# Altium PCB PCB_Amplifier.PcbDoc (part 2 of 4) (continued)
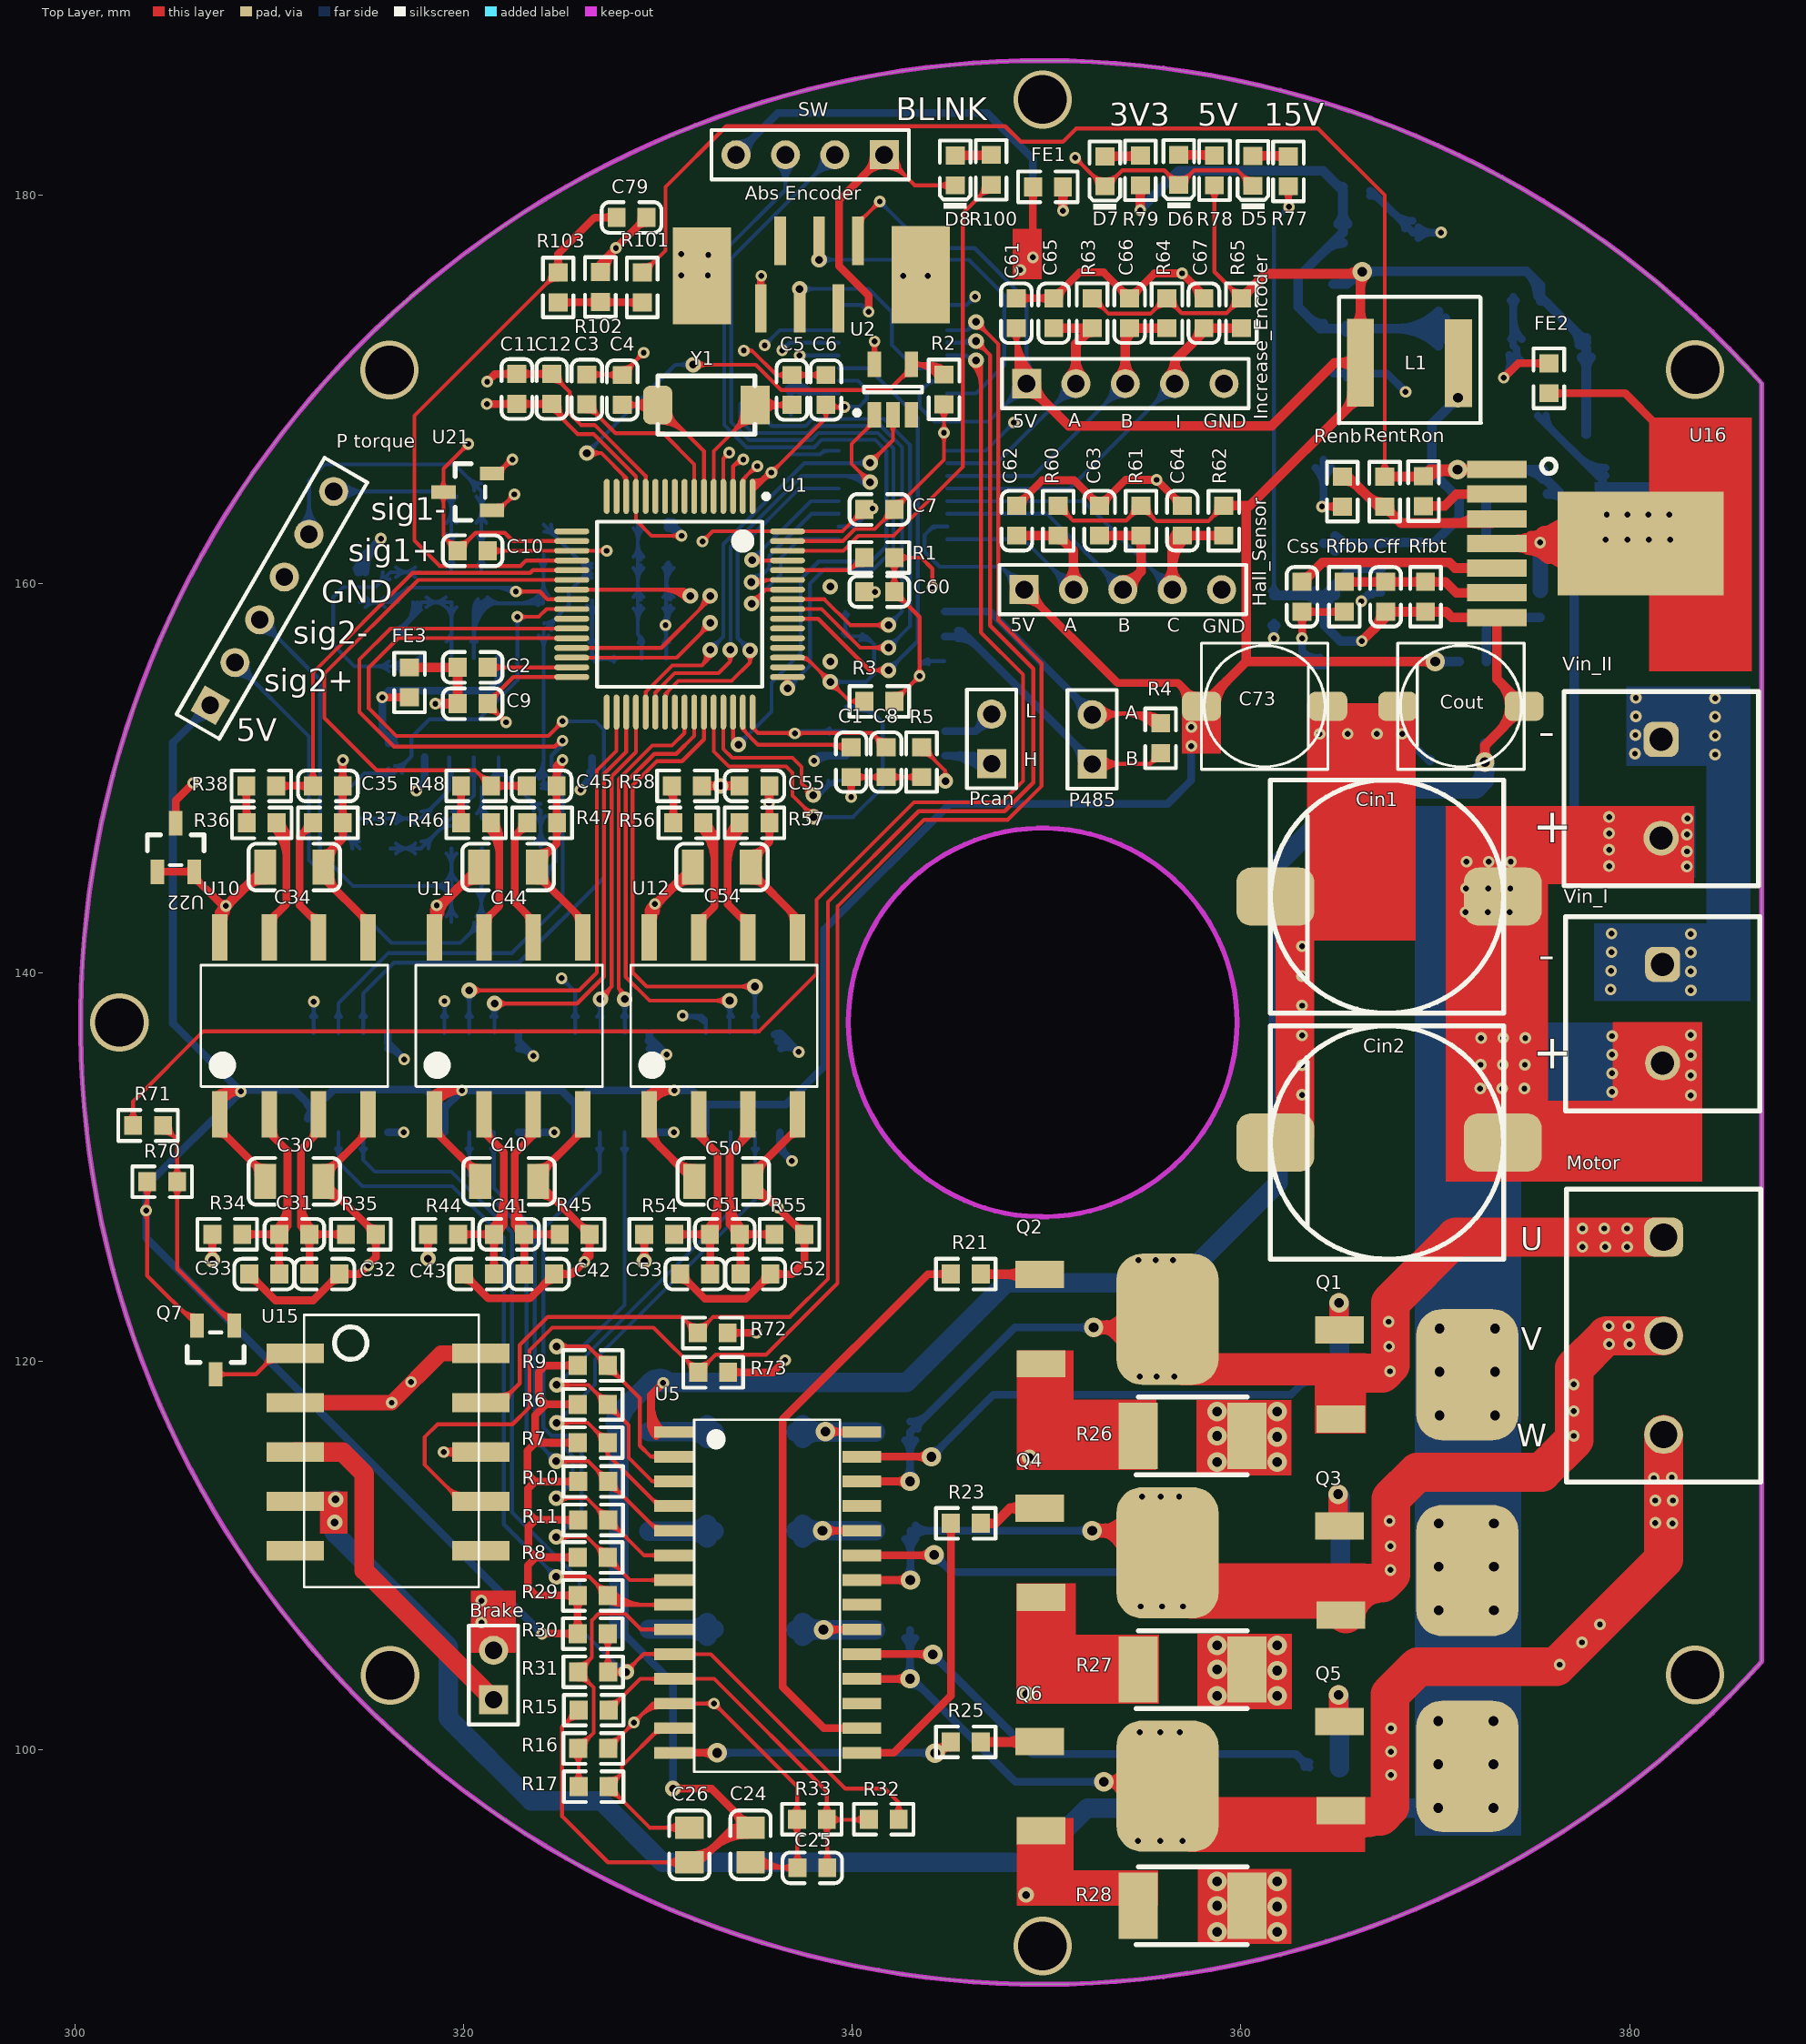
[diagram p0: Top Layer view]
## Nets (pads, with @x,y where several pads share a name; then routed paths per layer and width w, separated by ;. In a path a pad name is that pad's centre, name@x,y a point inside that pad or via, vN(x,y) a via of type N, cw(c..) or ccw(c..) an arc to the next point about the centre after c; other vN are vias at no path point) (continued)
  other v1: 357.45,151.65
  other v2: 366.25,176.05
15V: C24.2 C26.2 C70.1 C71.2 Cff.2 Cout.1 R12.1 R13.1 R14.1 R15.2 R77.2 Rfbt.2 U5.1 U16.7 U17.7 U19.1 U19.2 | length 208.1
  Top Layer w0.2: 325.264,101.371 cw(c325.93,100.705) R15.2@325.93,101.646 ; 325.325,101.431 ccw(c324.744,102.011) R15.2@325.565,102.011 ; R15.2@325.93,102.036 325.075,101.181 325.075,96.575 327.44,94.21 C26.2@331.625,94.21 C26.2@332.11,94.21 ; C26.2@331.131,93.871 ccw(c330.311,93.051) 330.311,94.21 ccw(c330.311,95.369) C26.2@331.131,94.549 ; C26.2@331.272,94.012 ccw(c330.794,93.534) 330.794,94.21 ccw(c330.794,94.886) C26.2@331.272,94.408 ; R77.2@362.192,180.197 cw(c361.569,179.574) 362.45,179.574 cw(c363.331,179.574) R77.2@362.708,180.197 ; v1@362.302,179.5 ccw(c361.822,179.777) 362.357,179.92 ; v1@362.334,179.541 ccw(c362.053,179.822) 362.45,179.822 ; v1@362.375,179.573 ccw(c362.252,179.787) 362.49,179.723 ; 362.383,179.823 ccw(c362.781,179.93) v1@362.575,179.573 ; v1@362.45,179.425 R77.2@362.45,180.455 ; 362.45,179.943 ccw(c363.018,179.943) v1@362.616,179.541 ; 362.537,179.899 ccw(c362.918,179.797) v1@362.624,179.533
  Top Layer w0.4: 329.65,116.772 ccw(c330.547,116.772) U5.1@329.913,116.138 ; 329.65,117.738 ccw(c331.513,117.738) U5.1@330.196,116.421 ; U5.1@330.118,116.45 cw(c330.077,117.051) 329.65,116.625 ; v1(330.275,118.875) 329.65,118.25 329.65,116.625 ; v3(330.775,98) 332.765,98 C24.2@334.775,95.99 333.89,95.99 ; U5.1@330.825,116.35 329.925,116.35 329.65,116.625 ; v3@330.916,97.859 cw(c331.258,97.517) 331.258,98 cw(c331.258,98.483) v3@330.916,98.141 ; C26.2@331.78,94.59 ccw(c331.78,96.304) 332.992,95.092 ; C26.2@332.11,94.21 333.89,95.99 ; 332.725,94.825 cw(c334.62,92.93) C24.2@334.62,95.61 ; 333.408,95.508 cw(c334.62,94.296) C24.2@334.62,96.01 ; 333.862,96.903 cw(c332.948,95.99) C24.2@334.24,95.99 ; C24.2@334.236,96.529 ccw(c334.62,96.913) C24.2@334.62,96.37 ; C24.2@334.309,95.772 ccw(c333.89,95.479) 333.89,95.99 ; C24.2@334.309,96.208 cw(c333.89,96.501) 333.89,95.99
  Top Layer w0.5: v1(366.225,157.05) 367.45,158.275 Cff.2@367.45,158.56 Rfbt.2@369.5,158.56 370.565,158.56 370.86,158.265 U16.7@373.175,158.265 373.175,155.1 Cout.1@374.575,153.7 372.55,151.675 v2(372.55,150.825) ; 366.839,157.664 ccw(c365.943,158.56) Cff.2@367.21,158.56 ; Cff.2@367.627,158.408 cw(c367.994,158.041) 367.994,158.56 cw(c367.994,159.079) Cff.2@367.627,158.712 ; Rfbt.2@369.323,158.408 ccw(c368.956,158.041) 368.956,158.56 ccw(c368.956,159.079) Rfbt.2@369.323,158.712 ; Rfbt.2@369.677,158.408 cw(c370.044,158.041) 370.044,158.56 cw(c370.044,159.079) Rfbt.2@369.677,158.712 ; U16.7@371.952,158.127 ccw(c371.619,157.794) 371.619,158.265 ccw(c371.619,158.736) U16.7@371.952,158.403 ; v2@372.373,151.002 ccw(c371.946,151.429) 372.55,151.429 ccw(c373.154,151.429) v2@372.727,151.002 ; U16.7@373.037,158.127 cw(c372.704,157.794) 373.175,157.794 cw(c373.646,157.794) U16.7@373.313,158.127 ; 373.295,152.42 ccw(c372.014,153.7) 373.825,153.7 ccw(c372.014,153.7) 373.295,154.98 ; Cout.1@373.898,153.023 cw(c374.325,152.596) Cout.1@374.325,153.2 ; Cout.1@373.898,154.377 ccw(c374.325,154.804) Cout.1@374.325,154.2
  Bottom Layer w0.2: C71.2@361.488,159.612 ccw(c360.976,160.124) 361.7,160.124 ccw(c362.424,160.124) C71.2@361.912,159.612 ; C71.2@361.7,159.4 361.7,178.625 v1(362.475,179.4) ; v1@362.275,179.4 cw(c361.792,179.4) 362.134,179.059 cw(c362.475,178.717) v1@362.475,179.2
  Bottom Layer w0.4: R14.1@328.005,105.91 cw(c328.005,105.21) 328.5,105.705 ; R14.1@328.005,106.2 330.775,103.43 v3(330.775,98) ; R14.1@328.27,106.175 ccw(c328.849,106.175) R14.1@328.44,105.765 ; v3@330.634,98.141 ccw(c330.292,98.483) 330.775,98.483 ccw(c331.258,98.483) v3@330.916,98.141
  Bottom Layer w0.5: C71.2@361.7,159.4 C70.1@364.3,159.4 ; C70.1@363.853,159.153 ccw(c363.255,158.555) 363.255,159.4 ccw(c363.255,160.245) C70.1@363.853,159.647 ; C70.1@364.053,159.153 cw(c363.455,158.555) 364.3,158.555 cw(c365.145,158.555) C70.1@364.547,159.153 ; C70.1@364.85,159.4 cw(c366.178,159.4) 365.239,160.339 ; v1(366.225,157.05) 365.125,157.05 364.3,157.875 C70.1@364.3,159.4 ; U17.7@367.225,160.81 365.71,160.81 C70.1@364.3,159.4 ; v2@372.373,150.648 cw(c371.946,150.221) 372.55,150.221 cw(c373.154,150.221) v2@372.727,150.648 ; v2@372.373,151.002 ccw(c371.946,151.429) 372.55,151.429 ccw(c373.154,151.429) v2@372.727,151.002 ; U19.2@372.55,149.9 v2(372.55,150.825) U19.1@372.55,151.8
  Bottom Layer w1: R12.1@327.97,116.4 cw(c330.07,116.4) 328.585,117.885 ; R12.1@327.979,116.377 cw(c328.483,116.827) 328.005,117.305 ; R14.1@328.005,106.2 R13.1@328.005,111.25 R12.1@328.005,116.375 328.005,117.305 ; 329.421,118.721 cw(c330.275,117.868) v1@330.275,119.075 ; v1@330.345,119.062 ccw(c330.099,118.401) 329.6,118.9 ; 371.551,149.45 ccw(c371.551,150.624) U19.2@372.381,149.794 ; U19.2@372.55,149.9 372.1,149.45 ; v2(372.55,150.825) cw(c370.969,150.581) 372.1,149.45 ; 328.005,117.305 329.6,118.9 ; 329.6,118.9 342.8,118.9 347.925,124.025 356.775,124.025 361.925,129.175 361.925,145.625 365.75,149.45 372.1,149.45
A_GND: "Abs Encoder.6" "Abs Encoder.7" "P torque.4" Brake.2 C24.1 C25.1 C30.1 C32.1 C33.1 C40.1 C42.1 C43.1 C50.1 C52.1 C53.1 C61.1 C62.1 C63.1 C64.1 C65.1 C66.1 C67.1 C70.2 C71.1 C73.2 Cin1.2 Cin2.2 Cin.1 Cout.2 Css.1 D4.1 D4.2 D5.K D6.K D7.K FE2.2 Hall_Sensor.5 Increase_Encoder.5 R16.2 R33.2 R35.1 R45.1 R55.1 R76.1 Renb.1 Rfbb.1 T1.1 U5.12 U6.5 U7.5 U8.5 U9.5 U10.4 U11.4 U12.4 U13.9 U14.9 U15.2 U15.10 U16.4 U16.8 U17.6 U19.3 U20.3 | length 258.7
  Top Layer w0.2: R16.2@327.445,100.068 329.757,102.38 ; R16.2@327.445,100.458 ccw(c327.445,101.4) 328.111,100.734 ; R16.2@327.81,100.093 cw(c328.631,100.093) 328.05,100.674 ; v1@328.575,101.398 cw(c328.092,101.398) 328.434,101.057 cw(c328.775,100.715) v1@328.775,101.198 ; v1@328.775,101.598 ccw(c328.775,102.081) 329.116,101.74 ccw(c329.458,101.398) v1@328.975,101.398 ; 329.155,101.778 cw(c330.125,100.808) U5.12@330.125,102.18 ; 329.496,102.12 cw(c330.125,101.491) U5.12@330.125,102.38 ; U5.12@329.957,102.271 ccw(c329.757,102.141) 329.757,102.38 ; U5.12@329.957,102.489 cw(c329.757,102.619) 329.757,102.38 ; U5.12@331.666,102.239 cw(c332.008,101.897) 332.008,102.38 cw(c332.008,102.863) U5.12@331.666,102.521 ; v1@332.754,102.239 ccw(c332.412,101.897) 332.412,102.38 ccw(c332.412,102.863) v1@332.754,102.521 ; v1@332.895,102.18 cw(c332.895,101.697) 333.236,102.039 cw(c333.578,102.38) v1@333.095,102.38 ; C24.1@334.987,94.267 ccw(c335.811,95.091) 335.811,93.925 ; C24.1@335.06,93.925 C25.1@337.18,93.925 337.18,98.095 v1(332.895,102.38) U5.12@330.825,102.38 329.757,102.38 ; C24.1@335.128,94.408 ccw(c336.294,95.574) 336.294,93.925 ; C24.1@335.269,94.549 ccw(c336.777,96.057) C25.1@336.777,93.925 ; R33.2@336.897,96.142 cw(c336.213,95.458) 337.18,95.458 ; R33.2@336.897,96.708 ccw(c336.213,97.392) 337.18,97.392 ; C25.1@336.922,93.667 ccw(c336.299,93.044) 336.299,93.925 ccw(c336.299,94.806) C25.1@336.922,94.183 ; C25.1@336.922,94.208 ccw(c336.299,94.831) 337.18,94.831 ccw(c338.061,94.831) C25.1@337.438,94.208 ; 337.18,95.579 cw(c337.976,95.579) R33.2@337.413,96.142 ; 337.18,97.271 ccw(c337.976,97.271) R33.2@337.413,96.708 ; v1@351.475,181.725 cw(c351.475,181.242) 351.816,181.584 cw(c352.158,181.925) v1@351.675,181.925 ; v1(351.475,181.925) 352.945,180.455 D7.K@353,180.455 353.08,180.455 353.9,181.275 356.066,181.275 D6.K@356.811,180.53 356.855,180.53 357.6,181.275 359.827,181.275 D5.K@360.622,180.48 ; 352.301,181.099 ccw(c352.975,181.774) D7.K@352.975,180.82 ; 352.373,181.027 cw(c351.801,180.455) D7.K@352.61,180.455 ; D7.K@353.025,180.62 ccw(c353.025,181.151) D7.K@353.401,180.776 ; D7.K@353.025,180.82 ccw(c353.025,181.834) 353.742,181.117 ; D7.K@353.39,180.455 cw(c354.138,180.455) 353.609,180.984 ; 356.145,181.196 cw(c355.479,180.53) D6.K@356.421,180.53 ; 356.205,181.135 ccw(c356.786,181.716) D6.K@356.786,180.895 ; D6.K@356.836,180.895 ccw(c356.836,181.823) 357.492,181.167 ; D6.K@357.201,180.53 cw(c358.036,180.53) 357.445,181.12 ; 359.956,181.146 cw(c359.29,180.48) D5.K@360.232,180.48 ; 360.016,181.085 ccw(c360.597,181.666) D5.K@360.597,180.845
  Top Layer w0.4: C33.1@308.98,124.185 cw(c308.98,123.485) 309.475,123.98 ; C33.1@308.98,124.475 310.33,123.125 312.27,123.125 C32.1@313.62,124.475 314.625,124.475 315.495,125.345 R35.1@315.495,126.525 315.495,126.545 C30.1@312.79,129.25 312.79,129.515 315.085,131.81 U10.4@315.085,132.7 ; C33.1@309.245,124.45 ccw(c309.824,124.45) C33.1@309.415,124.04 ; C30.1@312.79,128.55 cw(c312.79,126.86) 313.985,128.055 ; C30.1@312.79,129.95 ccw(c312.79,131) 313.533,130.258 ; 313.125,123.98 cw(c313.62,123.485) C32.1@313.62,124.185 ; C30.1@313.155,129.585 cw(c313.867,129.585) 313.364,130.089 ; C32.1@313.185,124.04 ccw(c312.776,124.45) C32.1@313.355,124.45 ; C32.1@313.807,124.288 cw(c314.26,123.835) 314.26,124.475 cw(c314.26,125.115) C32.1@313.807,124.662 ; 314.68,131.405 ccw(c314.185,131.9) U10.4@314.885,131.9 ; R35.1@315.034,127.006 ccw(c315.495,127.467) R35.1@315.495,126.815 ; R35.1@315.046,126.994 cw(c314.602,126.55) R35.1@315.23,126.55 ; R35.1@315.308,126.313 cw(c314.855,125.86) 315.495,125.86 cw(c316.135,125.86) R35.1@315.682,126.313 ; C43.1@320.03,124.185 cw(c320.03,123.485) 320.525,123.98 ; C43.1@320.03,124.475 321.28,123.225 323.42,123.225 C42.1@324.67,124.475 325.575,124.475 326.495,125.395 R45.1@326.495,126.525 323.648,129.372 323.682,129.407 326.135,131.86 U11.4@326.135,132.7 ; C43.1@320.295,124.45 ccw(c320.874,124.45) C43.1@320.465,124.04 ; C40.1@323.84,128.55 cw(c323.84,127.029) 324.915,128.105 ; C40.1@323.84,129.95 ccw(c323.84,130.879) 324.497,130.222 ; 324.175,123.98 cw(c324.67,123.485) C42.1@324.67,124.185 ; C40.1@324.205,129.585 cw(c325.038,129.585) 324.449,130.174 ; C42.1@324.235,124.04 ccw(c323.826,124.45) C42.1@324.405,124.45 ; C42.1@324.857,124.288 cw(c325.31,123.835) 325.31,124.475 cw(c325.31,125.115) C42.1@324.857,124.662 ; 325.765,131.49 ccw(c325.356,131.9) U11.4@325.935,131.9 ; U11.4@325.862,131.587 cw(c326.135,131.314) U11.4@326.135,131.7 ; 326,127.02 ccw(c326.495,127.515) R45.1@326.495,126.815 ; R45.1@326.06,126.96 cw(c325.651,126.55) R45.1@326.23,126.55 ; v1@326.154,125.171 ccw(c325.332,125.993) 326.495,125.993 ; R45.1@326.308,126.313 cw(c325.855,125.86) 326.495,125.86 cw(c327.135,125.86) R45.1@326.682,126.313 ; C53.1@331.155,124.185 cw(c331.155,123.485) 331.65,123.98 ; C53.1@331.155,124.475 332.43,123.2 334.52,123.2 C52.1@335.795,124.475 336.9,124.475 337.545,125.12 R55.1@337.545,126.525 334.635,129.435 337.185,131.985 U12.4@337.185,132.7 ; C53.1@331.42,124.45 ccw(c331.999,124.45) C53.1@331.59,124.04 ; C50.1@334.865,128.55 cw(c334.865,126.969) v1@335.983,128.087 ; C50.1@334.865,129.95 ccw(c334.865,130.638) 335.352,130.152 ; C50.1@335.23,129.585 cw(c336.304,129.585) 335.545,130.345 ; 335.3,123.98 cw(c335.795,123.485) C52.1@335.795,124.185 ; 335.3,174.175 v1@335.3,175.825 ; 335.3,175.548 cw(c335.627,175.548) v1@335.396,175.779 ; C52.1@335.36,124.04 ccw(c334.951,124.45) C52.1@335.53,124.45 ; 335.861,128.157 cw(c335.628,127.753) v1@336.078,127.874 ; C52.1@335.982,124.288 cw(c336.435,123.835) 336.435,124.475 cw(c336.435,125.115) C52.1@335.982,124.662 ; 336.698,131.498 cw(c337.185,131.012) U12.4@337.185,131.7 ; 337.05,127.02 ccw(c337.545,127.515) R55.1@337.545,126.815 ; R55.1@337.11,126.96 cw(c336.701,126.55) R55.1@337.28,126.55 ; R55.1@337.358,126.313 cw(c336.905,125.86) 337.545,125.86 cw(c338.185,125.86) R55.1@337.732,126.313 ; C61.1@348.45,174.695 C65.1@350.375,174.695 351.705,176.025 352.945,176.025 C66.1@354.275,174.695 355.555,175.975 v1(356.975,175.975) 358.1,174.85 C67.1@358.1,174.695 ; C62.1@348.475,164.02 349.78,165.325 351.43,165.325 C63.1@352.735,164.02 354.065,165.35 v1(355.665,165.35) C64.1@356.995,164.02 ; C62.1@348.5,164.285 ccw(c348.5,164.864) C62.1@348.91,164.455 ; C61.1@348.662,174.508 cw(c349.115,174.055) 349.115,174.695 cw(c349.115,175.335) C61.1@348.662,174.882 ; C62.1@348.765,164.02 cw(c349.465,164.02) 348.97,164.515 ; C65.1@350.163,174.508 ccw(c349.71,174.055) 349.71,174.695 ccw(c349.71,175.335) C65.1@350.163,174.882 ; C65.1@350.4,174.96 ccw(c350.4,175.539) C65.1@350.81,175.13 ; C65.1@350.665,174.695 cw(c351.365,174.695) 350.87,175.19 ; 352.24,164.515 cw(c351.745,164.02) C63.1@352.445,164.02 ; C63.1@352.3,164.455 ccw(c352.71,164.864) C63.1@352.71,164.285 ; C63.1@352.76,164.285 ccw(c352.76,164.864) C63.1@353.17,164.455 ; C63.1@353.025,164.02 cw(c353.725,164.02) 353.23,164.515 ; 353.78,175.19 cw(c353.285,174.695) C66.1@353.985,174.695 ; C66.1@353.84,175.13 ccw(c354.25,175.539) C66.1@354.25,174.96 ; C66.1@354.3,174.96 ccw(c354.3,175.539) C66.1@354.71,175.13 ; C66.1@354.565,174.695 cw(c355.265,174.695) 354.77,175.19 ; 356.5,164.515 cw(c356.005,164.02) C64.1@356.705,164.02 ; C64.1@356.56,164.455 ccw(c356.97,164.864) C64.1@356.97,164.285 ; 357.495,175.455 cw(c356.736,174.695) C67.1@357.81,174.695 ; Css.1@362.963,158.373 cw(c362.51,157.92) 363.15,157.92 cw(c363.79,157.92) Css.1@363.337,158.373 ; v1(363.15,157.2) Css.1@363.15,158.56 ; Css.1@363.167,158.542 363.185,158.56 Rfbb.1@365.325,158.56 ; Css.1@363.362,158.373 cw(c363.815,157.92) 363.815,158.56 cw(c363.815,159.2) Css.1@363.362,158.747 ; v1(364.175,163.975) Renb.1@365.225,163.975 ; Renb.1@365.013,163.788 ccw(c364.56,163.335) 364.56,163.975 ccw(c364.56,164.615) Renb.1@365.013,164.162 ; Rfbb.1@365.113,158.373 ccw(c364.66,157.92) 364.66,158.56 ccw(c364.66,159.2) Rfbb.1@365.113,158.747 ; FE2.2@375.85,169.805 379.77,169.805 381.45,168.125 ; FE2.2@376.062,169.618 cw(c376.515,169.165) 376.515,169.805 cw(c376.515,170.445) FE2.2@376.062,169.992
  Top Layer w0.8: U15.2@311.34,117.86 v1(316.31,117.86) 318.85,120.4 U15.10@320.9,120.4 ; U16.4@373.175,162.075 U16.8@380.575,162.075 ; 374.787,161.878 ccw(c374.923,162.773) v1@375.459,162.045 ; 374.968,162.32 cw(c375.076,161.672) v1@375.458,162.206 ; v1@375.303,162.148 cw(c376.002,161.985) 375.623,162.595 ; v1@375.303,162.099 ccw(c376.388,162.391) 375.828,161.418 ; U16.8@377.371,160.466 ccw(c373.488,156.583) 373.488,162.075 ccw(c373.488,167.567) U16.8@377.371,163.684 ; U16.8@377.937,161.032 ccw(c375.419,158.514) 375.419,162.075 ccw(c375.419,165.636) U16.8@377.937,163.118 ; U16.8@378.534,162.075 ccw(c378.534,162.516) U16.8@378.846,162.204 ; U16.8@378.704,162.204 ccw(c379.016,162.516) U16.8@379.016,162.075 ; U16.8@379.642,162.075 ccw(c379.642,162.516) U16.8@379.954,162.204 ; U16.8@379.813,162.204 ccw(c380.125,162.516) U16.8@380.125,162.075 ; U16.8@380.75,162.075 ccw(c380.75,162.516) 381.062,162.204 cw(c380.75,162.516) U16.8@380.75,162.075
  Bottom Layer w0.2: U13.9@344.9,166.85 346.875,166.85 v1(348.325,168.3) ; U14.9@344.9,174.35 345.9,174.35 v1@346.45,174.9 ; v1@346.125,174.775 cw(c345.642,174.775) 345.984,174.434 cw(c346.325,174.092) v1@346.325,174.575 ; v1@348.125,168.3 cw(c347.642,168.3) 347.984,167.959 cw(c348.325,167.617) v1@348.325,168.1
  Bottom Layer w0.4: U9.5@316.11,131.775 v1(316.925,131.775) ; U8.5@322.835,131.775 v1(324.675,131.775) ; U7.5@329.56,131.775 v1(330.825,131.775) ; U6.5@336.285,131.775 336.285,130.915 v1(336.9,130.3) ; U6.5@336.385,131.075 ccw(c337.013,131.075) 336.569,130.631 ; C71.1@361.559,157.859 cw(c361.217,157.517) 361.7,157.517 cw(c362.183,157.517) C71.1@361.841,157.859 ; v1@361.7,157.325 C71.1@361.7,158 ; v1(363.15,157.2) 363.15,156.525 ; C70.2@363.576,156.099 cw(c363.278,155.8) C70.2@363.7,155.8 ; T1.1@363.826,165.976 cw(c362.801,164.951) 364.25,164.951 cw(c365.699,164.951) T1.1@364.674,165.976 ; C70.2@364.061,156.198 cw(c363.952,157.327) 363.15,156.525 ; v1@364.104,164.046 ccw(c363.753,164.397) 364.25,164.397 ; v1(364.175,163.975) 364.25,164.05 T1.1@364.25,166.4 ; C70.2@364.3,155.8 363.875,155.8 363.15,156.525 ; v1(366.2,159.1) 366.64,159.54 U17.6@367.225,159.54 ; v1@366.297,159.074 cw(c366.761,158.95) U17.6@366.521,159.366 ; v1@366.392,159.292 cw(c366.75,158.933) U17.6@366.75,159.44 ; v1(368.3,152.275) U19.3@369.725,150.85 ; U19.3@369.434,151.141 ccw(c369.775,151.483) U19.3@369.775,151 ; U20.3@375.275,168.65 Cin.1@378.65,165.275 ; U20.3@375.7,168.65 ccw(c376.726,168.65) 376.001,167.924 ; 377.374,166.551 ccw(c378.765,167.943) Cin.1@378.765,165.975 ; 378.057,165.868 ccw(c378.765,166.577) Cin.1@378.765,165.575
  Bottom Layer w0.8: R76.1@375.4,159.675 v1(375.4,162.125)
  other v1: 328.775,101.398 320.925,106.55 320.925,107.675 317.3,118.925 315.1,124.925 326.225,125.1 336.175,127.9 363.15,133.7 363.15,135.23 363.15,136.76 363.15,138.29 363.15,139.82 363.15,141.35 364.05,152.275 365.5,152.275 367,152.275 361.7,157.2 378.775,162.275 379.883,162.275 380.992,162.275 382.1,162.275 378.825,163.55 379.9,163.55 380.975,163.55 382.05,163.55 346.325,174.775 335.325,175.85 342.625,175.85 343.9,175.85 331.2,175.875 332.575,175.875 332.6,176.925 331.2,176.975
ADC12_IN4: C79.2 R103.1 U1.20 | length 33.8
  Top Layer w0.2: 324.218,175.393 cw(c324.85,174.762) R103.1@324.85,175.655 ; 324.23,175.405 ccw(c323.616,176.02) R103.1@324.485,176.02 ; R103.1@324.875,176.02 324.845,176.02 317.475,168.65 317.475,162.225 318.78,160.92 322.945,160.92 323.225,161.2 U1.20@325.575,161.2
  Top Layer w0.4: R103.1@324.688,176.207 ccw(c324.235,176.66) 324.875,176.66 ccw(c325.515,176.66) R103.1@325.062,176.207 ; R103.1@324.875,176.02 324.875,176.975 326.75,178.85 C79.2@327.88,178.85 ; C79.2@327.693,178.663 ccw(c327.24,178.21) 327.24,178.85 ccw(c327.24,179.49) C79.2@327.693,179.037
ADC12_IN5: C35.2 R38.2 U1.21 | length 26.6
  Top Layer w0.2: C35.2@311.997,149.883 ccw(c311.374,150.506) 312.255,150.506 ccw(c313.136,150.506) C35.2@312.513,149.883 ; C35.2@312.255,149.6 312.255,155.43 317.385,160.56 323.435,160.56 323.575,160.7 U1.21@325.575,160.7
  Top Layer w0.4: R38.2@310.37,149.6 C35.2@312.255,149.6 ; R38.2@310.557,149.413 cw(c311.01,148.96) 311.01,149.6 cw(c311.01,150.24) R38.2@310.557,149.787 ; C35.2@312.068,149.413 ccw(c311.615,148.96) 311.615,149.6 ccw(c311.615,150.24) C35.2@312.068,149.787
ADC12_IN6: C45.2 R48.2 U1.22 | length 32.2
  Top Layer w0.2: 320.754,150.266 ccw(c321.42,150.932) R48.2@321.42,149.99 ; 320.815,150.205 cw(c320.234,149.625) R48.2@321.055,149.625 ; R48.2@321.42,149.6 320.62,150.4 315.55,150.4 312.85,153.1 312.85,155.375 317.675,160.2 U1.22@325.575,160.2
  Top Layer w0.4: R48.2@321.42,149.6 C45.2@323.255,149.6 ; R48.2@321.607,149.413 cw(c322.06,148.96) 322.06,149.6 cw(c322.06,150.24) R48.2@321.607,149.787 ; C45.2@323.068,149.413 ccw(c322.615,148.96) 322.615,149.6 ccw(c322.615,150.24) C45.2@323.068,149.787
ADC12_IN7: C55.2 R58.2 U1.23 | length 27.4
  Top Layer w0.2: U1.23@325.575,159.7 331.35,159.7 ; 330.166,159.7 cw(c330.166,157.866) v3@331.463,159.163 ; 330.649,159.7 cw(c330.649,158.349) v3@331.604,159.304 ; 331.132,159.7 cw(c331.132,158.832) v3@331.746,159.446 ; v3@331.395,159.484 ccw(c331.207,159.557) 331.35,159.7 ; v3@331.566,159.655 cw(c331.493,159.843) 331.35,159.7 ; v3(331.675,159.375) 331.35,159.7
  Top Layer w0.4: R58.2@332.27,149.6 C55.2@334.205,149.6 ; R58.2@332.457,149.413 cw(c332.91,148.96) 332.91,149.6 cw(c332.91,150.24) R58.2@332.457,149.787 ; R58.2@332.732,149.552 cw(c332.831,149.183) v3@333.098,149.457 ; R58.2@332.732,149.648 ccw(c332.831,150.017) v3@333.098,149.743 ; v3@333.096,149.459 ccw(c332.755,149.117) 332.755,149.6 ccw(c332.755,150.083) v3@333.096,149.741 ; v3@333.377,149.457 cw(c333.644,149.183) C55.2@333.743,149.552 ; v3@333.377,149.743 ccw(c333.644,150.017) C55.2@333.743,149.648 ; v3@333.379,149.459 cw(c333.72,149.117) 333.72,149.6 cw(c333.72,150.083) v3@333.379,149.741 ; C55.2@334.018,149.413 ccw(c333.565,148.96) 333.565,149.6 ccw(c333.565,150.24) C55.2@334.018,149.787
  GND w0.2: v3(331.675,159.375) 331.675,156.025 333.237,154.463 v3(333.237,149.6)
ADC12_IN8: U1.26
ADC12_IN14: C84.2 R93.2 U1.24 | length 18.3
  Top Layer w0.2: v1(322.7,159.6) 323.925,159.6 324.325,159.2 U1.24@325.575,159.2 ; v1@322.841,159.459 cw(c323.183,159.117) 323.183,159.6 cw(c323.183,160.083) v1@322.841,159.741
  Bottom Layer w0.2: C84.2@314.675,159.055 R93.2@316.244,159.055 316.38,159.055 317.125,159.8 322.5,159.8 v1(322.7,159.6) ccw(c322.217,159.117) 322.217,159.8 ; C84.2@314.958,158.797 cw(c315.581,158.174) 315.581,159.055 cw(c315.581,159.936) C84.2@314.958,159.313 ; R93.2@315.961,158.797 ccw(c315.338,158.174) 315.338,159.055 ccw(c315.338,159.936) R93.2@315.961,159.313 ; R93.2@316.269,159.22 ccw(c316.269,159.887) 316.74,159.415 ; R93.2@316.269,159.42 ccw(c316.269,160.57) 317.082,159.757 ; R93.2@316.634,159.055 cw(c317.246,159.055) 316.813,159.488 ; 321.734,159.8 cw(c321.734,158.634) v1@322.559,159.459
ADC12_IN15: C88.2 R99.2 U1.25 | length 27.2
  Top Layer w0.2: v1(322.775,158.3) 323.875,158.3 324.275,158.7 U1.25@325.575,158.7 ; v1@322.916,158.159 cw(c323.258,157.817) 323.258,158.3 cw(c323.258,158.783) v1@322.916,158.441
  Bottom Layer w0.2: 314.009,147.046 cw(c313.343,146.38) R99.2@314.285,146.38 ; 314.07,146.985 ccw(c314.65,147.566) R99.2@314.65,146.745 ; R99.2@314.675,146.38 313.6,147.455 313.6,148.95 314.905,150.255 C88.2@316.45,150.255 316.455,150.255 317.325,151.125 317.325,152.1 318.25,153.025 320.775,153.025 322.775,155.025 v1(322.775,158.3) ; C88.2@316.167,149.997 ccw(c315.544,149.374) 315.544,150.255 ccw(c315.544,151.136) C88.2@316.167,150.513 ; C88.2@316.475,150.62 ccw(c316.475,151.453) 317.064,150.864 ; C88.2@316.84,150.255 cw(c317.769,150.255) 317.112,150.912 ; v1@322.634,158.159 cw(c322.292,157.817) 322.775,157.817 cw(c323.258,157.817) v1@322.916,158.159
BRAKE_INPUT_SIG: R71.1 U14.13 | length 84.6
  Top Layer w0.2: R71.1@302.747,132.408 ccw(c302.124,133.031) 303.005,133.031 ccw(c303.886,133.031) R71.1@303.263,132.408 ; R71.1@303.005,132.125 303.005,133.355 306.625,136.975 335.225,136.975 338.175,139.925 338.175,143.75 343.175,148.75 347.7,148.75 348.8,149.85 348.8,155.325 346.625,157.5 346.625,171.25 v3(346.375,171.5) ; v3@346.163,171.288 cw(c345.047,170.172) 346.625,170.172 ; v3@346.304,171.429 cw(c345.53,170.655) 346.625,170.655 ; v3@346.446,171.571 cw(c346.013,171.138) 346.625,171.138
  Bottom Layer w0.2: U14.13@344.9,171.75 345.875,171.75 ; v3@346.187,171.733 cw(c346.04,171.915) 345.875,171.75 ; v3(346.375,171.5) 346.125,171.5 345.875,171.75
CLOSE_SIG: R72.1 U14.12 U15.9 | length 87.6
  Top Layer w0.2: U15.9@320.9,117.86 321.91,117.86 322.9,118.85 322.9,120.825 324.35,122.275 331.23,122.275 R72.1@332.055,121.45 332.055,121.48 332.85,122.275 336.8,122.275 338.75,124.225 338.75,143.625 343.425,148.3 347.85,148.3 349.325,149.775 349.325,155.625 347.1,157.85 347.1,171.762 v5(346.375,172.487) ; U15.9@321.87,118.06 ccw(c321.87,118.639) U15.9@322.28,118.23 ; U15.9@321.87,118.26 ccw(c321.87,119.322) 322.621,118.571 ; U15.9@322.27,117.86 cw(c323.139,117.86) 322.525,118.475 ; 331.389,122.116 ccw(c332.055,122.782) 332.055,121.84 ccw(c332.055,122.709) 332.67,122.095 ; 331.45,122.055 cw(c330.869,121.475) R72.1@331.69,121.475 ; R72.1@332.42,121.475 cw(c333.313,121.475) 332.682,122.107 ; v5@346.375,172.187 cw(c346.375,171.463) 346.887,171.975 cw(c347.399,172.487) v5@346.675,172.487
  Bottom Layer w0.2: U14.12@344.9,172.4 v5@346.288,172.4 ; U14.12@345.439,172.4 ccw(c345.439,173.423) v5@346.163,172.7 ; 345.862,172.4 cw(c345.862,171.974) v5@346.163,172.275 ; 345.922,172.4 ccw(c345.922,172.94) v5@346.304,172.558
CURRENT_SEN_1: C26.1 R17.1 U5.13 | length 16.3
  Top Layer w0.2: R17.1@327.47,97.71 cw(c327.47,96.768) 328.136,97.434 ; R17.1@327.47,98.49 ccw(c327.47,99.432) 328.136,98.766 ; R17.1@327.835,98.075 ccw(c328.656,98.075) 328.075,97.495 ; R17.1@327.835,98.125 cw(c328.656,98.125) 328.075,98.705 ; 329.758,100.758 cw(c330.125,100.391) U5.13@330.125,100.91 ; 329.794,100.794 ccw(c329.478,101.11) U5.13@329.925,101.11 ; U5.13@330.825,101.11 330.11,101.11 328.15,99.15 328.15,98.78 R17.1@327.47,98.1 329.58,95.99 C26.1@331.625,95.99 ; C26.1@331.131,95.651 ccw(c330.311,94.831) 330.311,95.99 ccw(c330.311,97.149) C26.1@331.131,96.329 ; C26.1@331.272,95.792 ccw(c330.794,95.314) 330.794,95.99 ccw(c330.794,96.666) C26.1@331.272,96.188
D_GND: U2.3
DRIVE_H1: R20.1 U5.27 | length 28
  Top Layer w0.4: U5.27@340.5,115.08 v2@344.075,115.08 ; 343.339,115.08 cw(c343.339,114.339) v2@343.863,114.863 ; 343.363,115.08 ccw(c343.363,115.787) v2@343.863,115.287
  Bottom Layer w0.4: v2(344.075,115.075) 347.275,118.275 362.58,118.275 R20.1@363.53,119.225 ; v2@344.075,115.375 ccw(c344.075,116.099) 344.587,115.587 ccw(c345.099,115.075) v2@344.375,115.075 ; 363.035,118.73 cw(c363.53,118.235) R20.1@363.53,118.935 ; R20.1@363.095,118.79 ccw(c362.686,119.2) R20.1@363.265,119.2
DRIVE_H2: R22.1 U5.23 | length 26.7
  Top Layer w0.4: U5.23@340.5,110 v2@344.225,110 ; 343.44,110 ccw(c343.44,110.81) v2@344.013,110.237 ; 343.561,110 cw(c343.561,109.361) v2@344.013,109.813
  Bottom Layer w0.4: v2@344.225,109.725 cw(c344.225,109.001) 344.737,109.513 cw(c345.249,110.025) v2@344.525,110.025 ; v2(344.225,110.025) 345.1,109.15 R22.1@363.58,109.15 ; R22.1@363.393,108.963 ccw(c362.94,108.51) 362.94,109.15 ccw(c362.94,109.79) R22.1@363.393,109.337
DRIVE_H3: R24.1 U5.19 | length 28.7
  Top Layer w0.4: U5.19@340.5,104.92 v2@344.15,104.92 ; 343.377,104.92 cw(c343.377,104.127) v2@343.938,104.688 ; 343.474,104.92 ccw(c343.474,105.576) v2@343.938,105.112
  Bottom Layer w0.4: v2@344.15,104.6 cw(c344.15,103.876) 344.662,104.388 cw(c345.174,104.9) v2@344.45,104.9 ; v2(344.15,104.9) 349.275,99.775 362.83,99.775 R24.1@363.53,99.075 ; 363.035,99.57 ccw(c363.53,100.065) R24.1@363.53,99.365 ; R24.1@363.095,99.51 cw(c362.686,99.1) R24.1@363.265,99.1
DRIVE_L1: R21.1 U5.16 | length 31.5
  Top Layer w0.4: U5.16@340.5,101.11 338.54,101.11 336.425,103.225 336.425,117 343.9,124.475 R21.1@345.08,124.475 ; R21.1@344.893,124.288 ccw(c344.44,123.835) 344.44,124.475 ccw(c344.44,125.115) R21.1@344.893,124.662
DRIVE_L2: R23.1 U5.15 | length 15.7
  Top Layer w0.4: U5.15@340.5,99.84 342.14,99.84 345.085,102.785 345.085,111.645 R23.1@345.08,111.65 ; R23.1@344.893,111.438 cw(c344.428,110.973) 345.085,110.973 ; 345.085,110.997 cw(c345.708,110.997) R23.1@345.267,111.438
DRIVE_L3: R25.1 U5.14 | length 21.2
  Top Layer w0.4: U5.14@330.825,99.84 v2(333.06,99.84) ; v2@332.848,99.628 ccw(c332.336,99.116) 332.336,99.84 ccw(c332.336,100.564) v2@332.848,100.052 ; v2(344.275,99.825) R25.1@345.08,100.4 ; v2@344.324,100.121 ccw(c344.443,100.835) 344.864,100.246 ccw(c345.285,99.657) v2@344.571,99.776 ; v2@344.327,100.121 ccw(c344.411,100.601) R25.1@344.788,100.291 ; v2@344.399,100.098 ccw(c344.595,100.527) R25.1@344.76,100.086 ; v2@344.508,99.991 cw(c344.92,99.414) R25.1@345.036,100.114 ; v2@344.565,99.747 cw(c345.14,99.592) R25.1@344.931,100.15 ; v2@344.588,100.048 ccw(c344.256,100.512) R25.1@344.819,100.419
  Bottom Layer w0.4: v2(333.06,99.84) v2@344.04,99.84 ; v2@333.272,99.628 cw(c333.784,99.116) 333.784,99.84 cw(c333.784,100.564) v2@333.272,100.052 ; 343.515,99.84 cw(c343.515,99.065) v2@344.063,99.613 ; 343.587,99.84 ccw(c343.587,100.513) v2@344.063,100.037